# Allegro board mini_trx_layout.brd (continued)
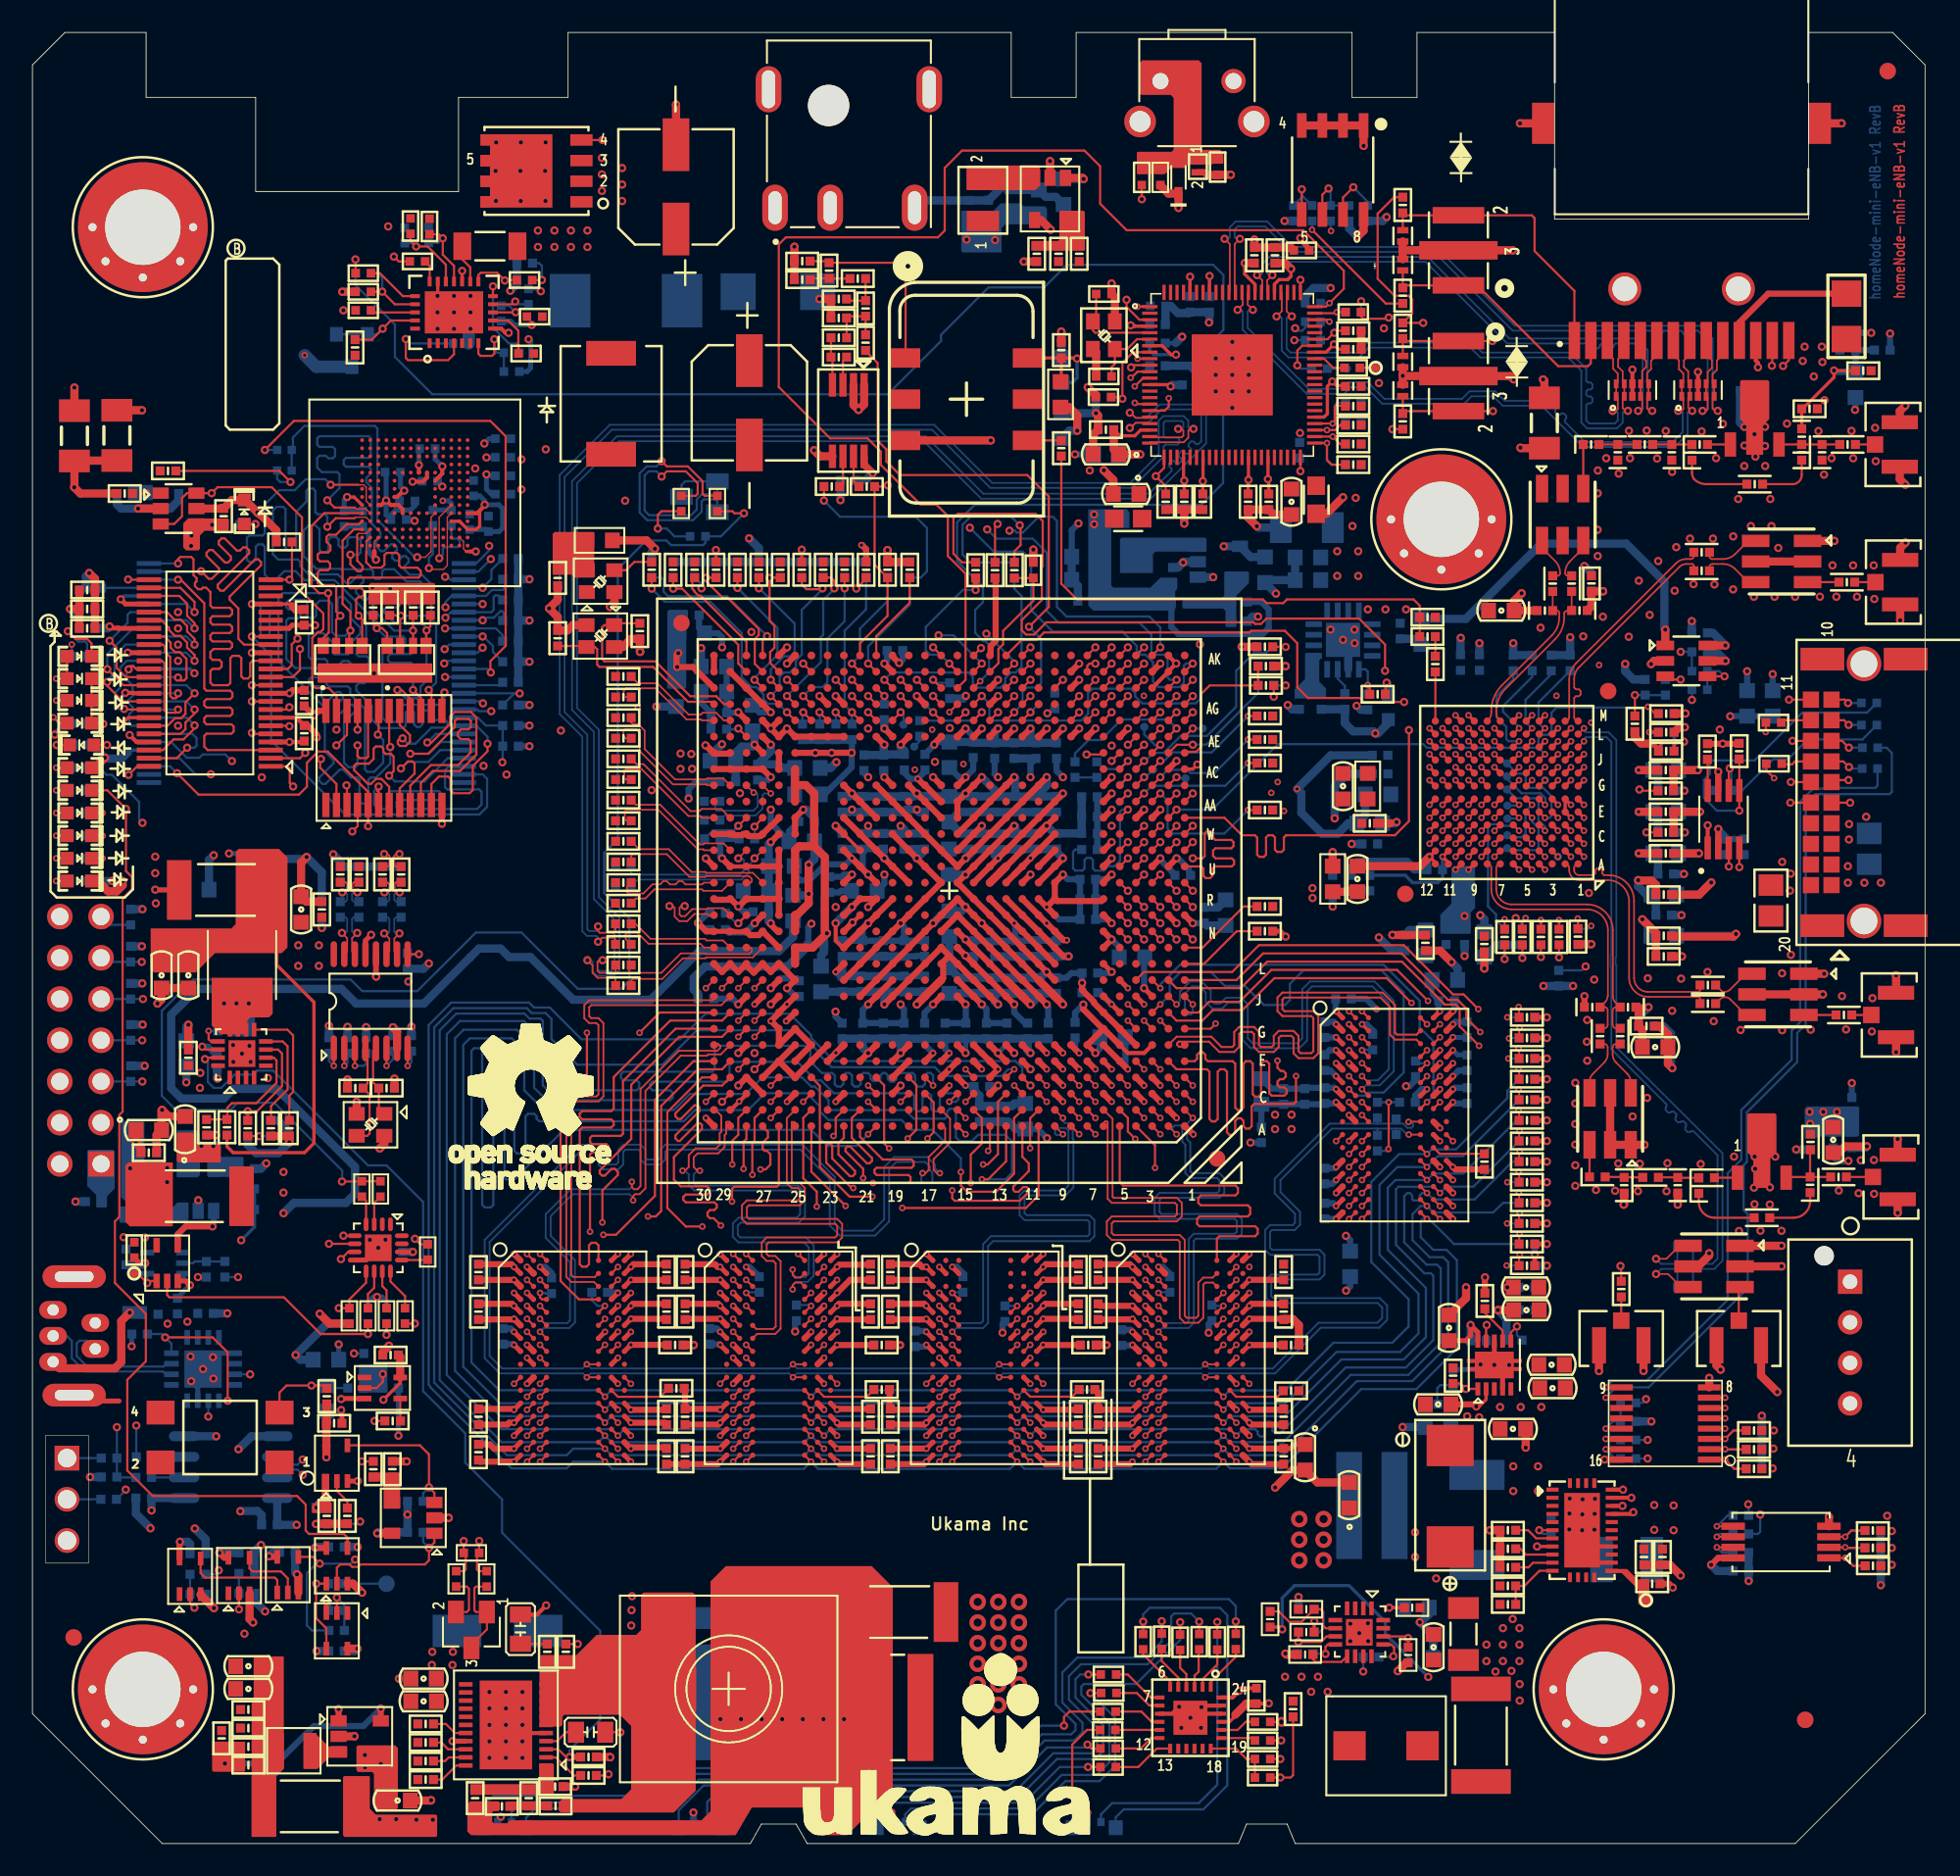
[diagram p0: board, top side]
## Routing (per net, layer and track width the routed paths; a pad name or vN(x,y) marks a point on that pad's centre or on a via; arc(x,y) is an arc through that point) (continued)
  TOP w0.137: U4.6 79.68,13.27 79.5,13.45 79.5,14.3 79.37,14.44 R62.2 78.19,13.67 77.42,13.67 76.79,14.3 R61.1
N27144685: length 1.9
  TOP w0.137: U4.8 79.8,12.27 79.66,12.13 v1(79.66,11.69)
  BOTTOM w0.137: v1(79.66,11.69) 79.65,11.7 R63.2
N27144921: length 7.9
  TOP w0.137: C94.2 15.83,46.09 16.06,46.32 16.06,49.8 15.71,50.15 U14.9
N27144923:
  vias: v1(11.8,51.77) v1(12.57,51.77) v1(13.33,51.77)
N27144925: length 7
  TOP w0.137: R137.1 v1(13.26,45.12) 13.83,45.12 15.38,46.67 15.38,48.68 15.13,48.93 U14.7
  BOTTOM w0.137: v1(13.26,45.12) R137.1
N27144937: length 1.4
  TOP w0.137: v1(13.96,43.59) 13.96,43.6 13.26,43.6 R137.2
  BOTTOM w0.137: C266.1 13.97,43.6 v1(13.96,43.59)
N27144939: length 19.7
  TOP w0.203: 14.95,55.43 15.06,55.32 15.06,54.13 17.34,51.84 17.34,43.16 16.76,42.57 12.36,42.57 11.98,42.95 R135.2
N27144954: length 1.7
  TOP w0.137: v2(10.85,50.07) 10.85,49.56 10.99,49.43 U14.13
  BOTTOM w0.137: C247.1 v2(10.85,50.07)
N27144964: length 7.8
  TOP w0.137: R136.2 R135.1 12.01,44.64 12.01,45.34 12.29,45.62 13.79,45.62 15.04,46.87 15.04,48.26 14.87,48.43 U14.6
N27144986: length 6.5
  TOP w0.137: R138.2 14.7,44.58 14.7,45.44 15.72,46.46 15.72,49.13 15.42,49.43 U14.8
N27169203: length 2.2
  TOP w0.137: U7.18 26.03,6.81 25.47,7.37 C37.1
N27169238: length 2.2
  TOP w0.137: R87.1 25.19,6.23 25.61,5.81 U7.20
N27169273: length 2.3
  TOP w0.137: U7.22 26.11,4.81 25.24,3.94 R73.1
N27169308: length 2.1
  TOP w0.137: U7.21 25.65,5.31 25.42,5.08 R78.1
N27171135: length 8.2
  TOP w0.137: R289.2 36.21,6.86 v1(36.22,6.85) ; C214.1 v1(33.6,12.29)
  L3-SIGNAL w0.127: v1(36.22,6.85) 36.21,6.86 36.21,9.68 v1(33.6,12.29)
N27171149: length 2.1
  TOP w0.137: R289.1 32.87,6.86 32.32,6.31 U7.4
N27171634:
  vias: v1(42.38,7.66) v1(43.65,7.66) v1(44.92,7.66) v1(46.19,7.66) v1(47.46,7.66) v1(48.73,7.66) v1(50,7.66)
N27174773: length 1.7
  TOP w0.137: C215.1 31.7,12.31 R291.2
N27178741: length 2.6
  TOP w0.137: U7.2 32.24,5.31 33.35,4.19 R288.2
N27215911: length 3.2
  TOP w0.137: U33.2 v1(12.72,14.43)
  BOTTOM w0.137: v1(12.72,14.43) U33.2 12.72,15.42 R435.2
N27215928: length 9.9
  TOP w0.137: U16.2 18.76,16.99 18.97,17.2 19.54,17.2 19.69,17.05 20.06,17.05 20.21,17.2 24.17,17.2 24.43,17.45 v1(24.43,18.22) 24.76,18.55 U10.1
  BOTTOM w0.137: v1(24.43,18.22) 24.07,18.57 R110.1
N27216005: length 3.2
  TOP w0.137: U18.2 v1(18.76,15.16)
  BOTTOM w0.137: v1(18.76,15.16) 19.21,14.7 C276.1 19.21,13.14 R380.2
N27216243: length 3.1
  TOP w0.137: U32.2 9.71,14.8 v1(9.98,14.53)
  BOTTOM w0.137: v1(9.98,14.53) 9.71,14.8 U32.2 9.71,16.59 R436.2
N27216779: length 2.6
  BOTTOM w0.137: U6.2 9.9,35.77 10,35.87 10.71,35.87 C211.1 11.85,35.87 R293.2
N27430859: length 2.3
  TOP w0.137: U5.1 7.2,34.67 v1(7.07,34.54) 6.48,35.13 TP3.1
  BOTTOM w0.137: U6.4 7.07,34.54 v1(7.07,34.54)
N28291570: length 6.4
  TOP w0.137: U13.4 20.64,48.87 20.64,46.82 C91.1 20.77,46.15 20.77,43.75 20.63,43.61 Y3.3
N28291594: length 4.4
  TOP w0.137: U13.5 20.98,48.82 20.98,46.9 C80.1 21.34,45.3 Y3.1
N28292228: length 3.5
  TOP w0.107: v1(21.68,58.61) 21.89,58.61 22,58.72 22,59.08 21.84,59.24 C246.1
  BOTTOM w0.107: R332.2 21.88,59.24 21.99,59.13 21.99,58.92 v1(21.68,58.61) 21.88,58.61 21.99,58.51 21.99,58.15 21.88,58.04 R331.2
N28292234: length 3.5
  TOP w0.107: v1(19.08,58.61) 19.29,58.61 19.4,58.72 19.4,59.13 19.29,59.24 C250.1
  BOTTOM w0.107: R334.2 19.29,59.24 19.4,59.13 19.4,58.93 v1(19.08,58.61) 19.28,58.61 19.39,58.51 19.39,58.15 19.28,58.04 R336.2
N28292240: length 3.5
  TOP w0.107: C253.1 19.81,59.24 19.7,59.13 19.7,58.72 19.81,58.61 v1(20.02,58.61)
  BOTTOM w0.107: 20.02,58.61 19.8,58.61 19.69,58.51 19.69,58.15 19.8,58.04 R338.2 ; 20.02,58.61 v1(20.02,58.61) ; 20.02,58.61 19.7,58.93 19.7,59.13 19.81,59.24 R342.2
N28292242: length 3.1
  TOP w0.107: U13.14 19.69,54.97 19.69,55.79 v1(20.01,56.11)
  BOTTOM w0.107: R338.1 19.8,57.08 19.69,56.97 19.69,56.22 19.8,56.11 v1(20.01,56.11)
N28292264: length 3.5
  TOP w0.107: v1(22.62,58.61) 22.41,58.61 22.3,58.72 22.3,59.13 22.41,59.24 C245.1
  BOTTOM w0.107: R328.2 22.4,58.04 22.29,58.15 22.29,58.51 22.4,58.61 22.62,58.61 ; 22.62,58.61 v1(22.62,58.61) ; 22.62,58.61 22.29,58.94 22.29,59.13 22.4,59.24 R327.2
N28292278: length 3.1
  TOP w0.107: U13.15 19.39,54.97 19.39,55.79 v1(19.07,56.11)
  BOTTOM w0.107: R336.1 19.28,57.08 19.39,56.97 19.39,56.22 19.28,56.11 v1(19.07,56.11)
N28292560: length 1.4
  TOP w0.137: U13.9 v1(23.81,54.8)
  BOTTOM w0.137: v1(23.81,54.8) 23.16,54.8 R117.1
N28293840: length 3.1
  TOP w0.107: v1(21.67,56.08) 21.99,55.77 21.99,54.97 U13.11
  BOTTOM w0.107: R331.1 21.88,57.08 21.99,56.97 21.99,56.19 21.88,56.08 v1(21.67,56.08)
N28293868: length 3.1
  TOP w0.107: U13.10 22.29,54.97 22.29,55.77 v1(22.61,56.08)
  BOTTOM w0.107: v1(22.61,56.08) 22.4,56.08 22.29,56.19 22.29,56.97 22.4,57.08 R328.1
N28294373: length 2
  TOP w0.137: U13.1 v2(18.56,47.92)
  BOTTOM w0.137: R132.2 18.27,48.22 v2(18.56,47.92)
N28294754: length 1.9
  TOP w0.137: U13.2 v2(19.21,47.92)
  BOTTOM w0.137: R130.2 19.41,48.12 v2(19.21,47.92)
N28294786: length 2.5
  TOP w0.137: U13.3 v2(19.86,47.92)
  BOTTOM w0.137: v2(19.86,47.92) 20.42,47.92 20.56,48.06 R128.2
N28294818: length 2.1
  TOP w0.137: U13.8 v2(23.11,47.92)
  BOTTOM w0.137: R116.2 23.35,48.16 v2(23.11,47.92)
N28294850: length 2.1
  TOP w0.137: U13.6 v2(21.81,47.92)
  BOTTOM w0.137: v2(21.81,47.92) 22.21,48.32 R122.2
N28301963: length 3.1
  TOP w0.137: v1(43.49,62.71) U1.Y28
  BOTTOM w0.137: v1(43.49,62.71) 43.22,62.44 41.93,62.44 R339.2
N28302006: length 1.5
  TOP w0.137: U1.Y27 v1(44.48,62.66)
  BOTTOM w0.127: R354.2 44.5,62.65 v1(44.48,62.66)
N28359985: length 8.6
  TOP w0.137: v1(70.49,68.71) U1.AE2
  BOTTOM w0.137: R414.1 64.23,67.17 65.06,68 65.83,68 67.1,69.27 68.29,69.27 68.3,69.26 69.67,69.26 69.68,69.27 69.93,69.27 v1(70.49,68.71)
N28499038: length 2.6
  TOP w0.137: v1(21.59,28.93) 21.59,28.45 21.2,28.07 U57.2
  BOTTOM w0.137: C235.1 v1(21.59,28.93)
N28500759: length 9.4
  TOP w0.137: U10.3 24.76,21.61 v1(24.43,21.95) 24.43,23.98 23.87,24.54 U17.4
  BOTTOM w0.137: R113.1 24.07,21.59 v1(24.43,21.95)
N37529531: length 3.4
  TOP w0.137: U25.4 v1(104.25,71.93)
  BOTTOM w0.137: R4.1 R6.1 103.93,72.24 104.25,71.92 v1(104.25,71.93)
N37586365: length 2.5
  TOP w0.137: R238.2 49.09,96.43 R232.1 47.98,96.45 C169.1
N37586373: length 11.5
  TOP w0.137: C152.1 48.98,97.51 R232.2 53.26,97.41 53.79,96.88 U38.1
N37586451: length 6.8
  TOP w0.203: v1(64.36,91.5) 64.32,91.54 C154.1 ; C154.1 63.39,90.13 L13.1 ; C154.1 U38.6
  BOTTOM w0.203: v1(64.36,91.5) 64.36,90.32 64.05,90.02 C445.1
N37586583: length 2.9
  TOP w0.137: R242.1 R241.2 49.28,91.51 U44.4
N37586587: length 3.6
  TOP w0.137: R242.2 50.16,92.79 C182.1 50.26,94.11 R239.1 R240.2
N37586775: length 1.8
  TOP w0.137: U44.3 49.94,91.37 R241.1
N37650909: length 1.6
  TOP w0.137: LED3.1 v2(1.46,66.3)
  BOTTOM w0.137: R97.1 v2(1.46,66.3)
N37651458: length 1.9
  TOP w0.137: R146.1 19.4,21.08 18.76,21.73 U17.2
N37651465:
  vias: v1(17.49,20.7)
N37686439: length 1.7
  BOTTOM w0.137: C436.2 80.85,71.34 80.42,71.78 U65.7
N38213058: length 2.6
  BOTTOM w0.137: TP24.1 21.8,16.01 R378.1
N38345660: length 9.2
  TOP w0.102: 41.45,59.87 41.51,59.81 44.38,59.81 U1.T27
  TOP w0.107: 41.45,59.87 40.61,59.87 39.2,61.27 37.37,61.27 C71.2
N38345697: length 9
  TOP w0.102: U1.T28 44.25,59.21 44.32,59.28 44.32,59.45 44.15,59.61 41.5,59.61 41.45,59.57
  TOP w0.107: 41.45,59.57 40.48,59.57 39.08,60.97 36.99,60.97 36.89,60.86 C70.2
N38345795: length 6.7
  TOP w0.107: C68.1 37.18,58.24 37.76,58.24 38.32,58.8 41.24,58.8 41.33,58.71 42.48,58.71 U1.T29
N38345832: length 6.7
  TOP w0.107: C69.1 36.63,58.96 36.63,58.65 36.74,58.54 37.63,58.54 38.19,59.1 38.67,59.1 38.86,59.3 39.08,59.3 39.27,59.1 39.62,59.1 39.82,59.3 40.04,59.3 40.23,59.1 41.26,59.1 41.36,59.21 U1.T30
N38717127: length 1.4
  TOP w0.137: U57.4 22.66,26.06 R108.2
N38737759: length 0
  TOP w0.137: 6.98,83.19 v1(7.01,83.21)
N38791044: length 7.7
  TOP w0.107: R119.2 37.21,66.51 37.65,66.51 40.54,63.62 41.1,63.62 41.23,63.75 42.44,63.75 42.98,63.21 U1.Y29
N38791056: length 7.7
  TOP w0.107: U1.Y30 41.25,63.21 41.14,63.32 40.41,63.32 37.52,66.21 36.57,66.21 36.46,66.1 36.46,65.67 36.57,65.57 R118.2
N38808629: length 4.7
  TOP w0.137: U1.AF14 v1(58.49,69.71)
  BOTTOM w0.137: v1(58.49,69.71) 57.97,69.19 56.71,69.19 56.7,69.2 56.32,69.2 56.32,69.19 R395.1
N40392181: length 15.6
  TOP w0.107: C147.2 102.74,52.59 arc(102.7,52.51) 102.63,52.48 99.54,52.48 arc(98.93,52.73) 98.67,53.35 98.67,58.09 arc(98.21,59.21) 97.09,59.67 96.82,59.67 96.71,59.78 96.71,59.98 96.61,60.09 96.39,60.09 96.29,59.98 96.29,59.78 96.18,59.67 95.3,59.67 arc(95.07,59.76) 94.98,59.99 94.98,60.12 arc(95.05,60.29) U3.A1
N40392244: length 15.4
  TOP w0.107: C150.2 102.74,52.07 arc(102.7,52.14) 102.63,52.17 99.54,52.17 arc(98.71,52.52) 98.37,53.35 98.37,58.04 arc(97.98,58.98) 97.04,59.37 95.3,59.37 arc(94.86,59.55) 94.68,59.99 94.68,60.12 arc(94.6,60.29) U3.A2
N40936377: length 2.1
  TOP w0.137: U19.6 v2(103.77,18.9)
  BOTTOM w0.137: R562.2 103.95,19.08 v2(103.77,18.9)
N40936405: length 3.8
  TOP w0.137: R140.2 112.07,19.29 v2(111.68,18.9) U19.3
  BOTTOM w0.137: R140.2 112.07,19.29 v2(111.68,18.9)
N40936407: length 3.5
  TOP w0.137: R145.2 111.71,18.22 v2(111.68,18.25) U19.2
  BOTTOM w0.137: R145.2 111.71,18.22 v2(111.68,18.25)
N40936492: length 3.9
  TOP w0.137: U19.1 v2(111.68,17.6) 112.17,17.11 R148.2
  BOTTOM w0.137: R384.2 112.17,17.11 v2(111.68,17.6)
N41074281: length 1.3
  TOP w0.137: J10.1 C174.1
N41087231: length 1.2
  TOP w0.137: C465.1 J19.1
N41087321: length 3.7
  TOP w0.137: R478.2 108.44,83.77 arc(108.84,83.93) 109,84.33 C654.2
N41087323: length 3.7
  TOP w0.137: C465.2 C457.1 C654.1 U70.3
N41087325: length 2.4
  TOP w0.137: L42.2 C451.1 C453.2
N41087331: length 2.3
  TOP w0.137: C442.1 C444.1 L42.1
N41087368: length 1.4
  TOP w0.137: C453.1 U70.1
N41087432: length 9.6
  TOP w0.203: L45.2 C458.2 109.05,88.41 110.99,90.35 v1(110.99,90.77) 111,90.76 C459.2
  BOTTOM w0.381: L52.1 113.48,92.02 L46.1 112.31,92.02 C461.1 111.08,90.68 v1(110.99,90.77)
N41087526: length 4.5
  TOP w0.137: C466.2 109.52,41.08 C656.1 109.52,41.07 ; L47.1 109.52,42.73 109.52,41.07 ; 109.52,41.07 108.09,41.07 U71.3
N41087528: length 1.6
  TOP w0.137: J20.1 C466.1
N41087530: length 3.6
  TOP w0.137: C656.2 109.52,39.58 arc(109.22,38.86) 108.5,38.56 R479.2
N41087548: length 2.3
  TOP w0.137: C443.1 98.04,41.08 C447.1 98.07,41.05 L43.1
N41087557: length 2.5
  TOP w0.137: C655.2 101.39,41.02 C452.1 101.36,41.05 L43.2
N41087567: length 1.4
  TOP w0.137: U71.1 103.63,41.03 C454.1
N41087635:
  vias: v1(109.49,45.09) v1(109.52,44.35) v1(110.33,45.09) v1(111.17,45.09)
N41094150: length 1.2
  TOP w0.137: J9.1 C173.1
N41359438: length 1.7
  TOP w0.137: v1(13.73,81.31) 13.06,81.31 LED6.1
  BOTTOM w0.137: R106.2 13.71,81.28 v1(13.73,81.31)
N42046315: length 1.7
  TOP w0.137: v1(63.49,71.71) U1.AH9
  BOTTOM w0.137: R417.2 U1.AH9 v1(63.49,71.71)
N42252550: length 20.1
  TOP w0.083: U29.K5 24.56,81.73 24.56,79.61 24.2,79.26 v1(23.7,79.26)
  BOTTOM w0.137: R2N2.2 R2N1.2 16.05,85.95 16.05,86.64 16.76,87.35 21.1,87.35 21.25,87.21 21.25,81.57 23.56,79.26 v1(23.7,79.26)
N42252590: length 5
  TOP w0.083: U29.C2 21.06,80.23 21.06,80.08 21.06,79.63
  TOP w0.305: 21.06,79.63 21.06,79.21 v1(21.16,79.11)
  BOTTOM w0.305: C368.1 C370.1 20.7,80.8 20.7,79.57 v1(21.16,79.11)
N42378579: length 72.1
  TOP w0.137: v1(38.53,81.03) 38.53,81.87 38.75,82.1 R451.1 ; U28.6 v1(18.27,36.96)
  L3-SIGNAL w0.127: v1(18.27,36.96) 18.27,38.41 19.92,40.06 19.92,44.65 15.45,49.12 15.45,61.49 16.69,62.73 19.19,62.73 20.85,64.38 20.85,66.19 21.71,67.06 22.53,67.06 24,68.53 29.58,68.53 31.43,70.38 37.04,70.38 39.09,72.43 39.09,75.24 37.67,76.66 37.67,80.38 38.32,81.03 v1(38.53,81.03)
  BOTTOM w0.137: C132.1 39.56,80.55 39.07,81.03 v1(38.53,81.03)
N42378600: length 25.4
  TOP w0.137: R422.1 27.48,16.79 27.39,16.88 27.39,17.78 C131.1 27.52,18.64 v1(27.53,18.65) ; U28.5 v1(19.16,37.46)
  L3-SIGNAL w0.127: v1(19.16,37.46) 19.16,36.56 20.72,35 20.72,32.85 21.14,32.42 21.14,27.2 27.53,20.81 v1(27.53,18.65)
N42378604: length 2.4
  TOP w0.137: R176.2 20.67,33.86 21.05,34.25 U28.10
N42378613: length 123.4
  TOP w0.137: U28.7 19.45,36.46 v1(19,36.01) ; R467.1 43.13,82.1 43.25,81.97 v1(43.83,81.97) ; v1(26.57,18.64) C131.2 26.69,17.79 26.69,16.89 26.58,16.79 R423.1 ; v1(19.07,40.8) 20.28,40.8 R177.1 R172.1
  L3-SIGNAL w0.127: v1(26.57,18.64) 26.29,18.64 21.77,23.16 21.77,25.97 20.68,27.07 20.68,30.76 20.1,31.33 20.1,34.92 v1(19,36.01) 18.84,36.18 17.62,36.18 17.44,36.36 17.44,39.16 v1(19.07,40.8)
  BOTTOM w0.137: v1(43.83,81.97) 42.41,80.55 C132.2 41.46,80.15 41.33,80.01 39.34,80.01 39.06,80.29 37.81,80.29 36.06,78.54 36.06,61.88 35.22,61.04 35.22,58.58 36.77,57.03 36.77,53.17 36.28,52.67 33.6,52.67 30.13,56.14 27.32,56.14 23.71,52.53 20.32,52.53 19.6,53.24 9.9,53.24 7.97,51.31 7.97,46.08 8.83,45.22 12.21,45.22 12.64,45.65 14.9,45.65 19.08,41.47 19.08,40.81 v1(19.07,40.8)
N42378655: length 2.6
  TOP w0.137: R171.1 22.96,33.73 22.05,34.64 U28.12
N42378657: length 1.6
  TOP w0.137: R169.1 24.33,35.96 U28.13
N42378741: length 4
  TOP w0.137: v1(18.87,32.99) R181.1 19.53,33.53 20.55,34.56 U28.9
  BOTTOM w0.137: v1(18.87,32.99) R181.1
N42378749: length 1.9
  TOP w0.137: R172.2 21.05,39.48 U28.3
N42378768: length 1.8
  TOP w0.137: U28.4 20.55,39.6 R177.2
N42378865: length 2.4
  TOP w0.137: U28.11 21.55,34.35 21.81,34.09 R173.1
N42383145: length 1.5
  TOP w0.137: LED2.1 v2(1.46,59.31)
  BOTTOM w0.137: v2(1.46,59.31) R95.1
N42450862: length 2
  BOTTOM w0.137: U31.2 R180.2
N42450876: length 2
  BOTTOM w0.137: U31.3 R184.2
N42451043: length 8.6
  TOP w0.508: J7.1 1.67,29.29 5.08,29.29 5.47,29.68 5.47,32.19 v1(5.99,32.72)
  BOTTOM w0.137: R409.2 6.02,32.62 5.99,32.64 v1(5.99,32.72)
N42451093: length 11.4
  TOP w0.137: v1(8.18,31.19) 11.1,31.19 12.03,30.26 v1(12.03,27.29)
  BOTTOM w0.137: U26.1 v1(12.03,27.29) ; v1(8.18,31.19) 7.97,31.4 C116.2 ; v1(8.18,31.19) 8.56,30.81 U26.8 ; v1(8.18,31.19) U26.9
N42452847: length 11.8
  TOP w0.381: U69.5 v1(21.46,8.31)
  BOTTOM w0.381: v1(11.86,4.93) 15.03,4.93 17.34,7.24 20.39,7.24 v1(21.46,8.31)
N42452897: length 6.6
  TOP w0.508: C96.1 v1(6.38,43.19) 6.69,42.89 C97.1
  BOTTOM w0.203: C284.1 R388.1 13.68,37.99 v1(12.86,37.18) ; C96.1 v1(6.38,43.19) 6.69,42.89 C97.1
  vias: v1(6.02,41.61) v1(8.3,41.63) v1(8.3,40.76)
N42624203:
  vias: v1(91.23,23.24) v1(91.23,21.72) v1(92.75,23.24) v1(92.75,21.72)
N42624207: length 1
  TOP w0.203: U8.8 v1(92.69,18.31)
  vias: v1(85.19,19.18) v1(85.19,17.66) v1(86.48,16.34)
N42624232: length 3.8
  TOP w0.137: U8.11 92.85,16.81 91.92,15.88 R75.1 91.38,14.74 R74.2
N42624335: length 1.6
  TOP w0.137: U8.6 v1(92.83,19.31)
  BOTTOM w0.137: v1(92.83,19.31) 93.06,19.08 C222.1
N42624343: length 2.5
  TOP w0.137: C220.2 92.14,19.31 92.64,18.81 U8.7
N42624475: length 2.4
  TOP w0.137: C209.2 92.17,17.02 92.45,17.3 93.64,17.3 U8.10
N42624491: length 2.4
  TOP w0.137: U8.9 92.02,17.81 91.66,18.16 R294.2
N42694907: length 7.3
  TOP w0.107: R121.2 37.31,71.49 38.5,71.49 40.42,69.57 41.18,69.57 41.29,69.68 42.12,69.68 42.59,69.21 U1.AF29
N42694909: length 7.2
  TOP w0.107: R120.2 36.53,70.65 36.42,70.75 36.42,71.02 36.59,71.19 37.19,71.19 37.19,71.19 38.38,71.19 40.3,69.27 41.19,69.27 41.25,69.21 U1.AF30
N42717331: length 0.8
  BOTTOM w0.137: R395.2 54.66,67.93 TP51.1
N43208299: length 2
  TOP w0.137: U44.7 50.59,83.96 R619.2
N43208302: length 2
  TOP w0.137: R620.2 49.94,83.83 U44.6
N43208378: length 2.3
  TOP w0.137: U19.5 v2(103.77,19.55)
  BOTTOM w0.137: v2(103.77,19.55) 104.44,20.22 R561.2
N43275465: length 4.1
  TOP w0.137: U242.18 74.16,5.85 74.8,5.21 R583.2 R584.2
N43315191: length 2.1
  TOP w0.137: U242.19 75.17,6.5 R579.2
N43315200: length 2.3
  TOP w0.137: R582.2 74.75,7.5 74.25,7 U242.20
N43486484: length 8.1
  TOP w0.137: U246.4 25.97,91.77 25.6,91.41 23.14,91.41 23,91.54 v1(23,92.71)
  BOTTOM w0.137: v1(23,92.71) 23.27,92.44 C611.1
N43486486: length 2.8
  TOP w0.137: U246.22 20.98,94.35 C612.1
N43486488: length 3.2
  TOP w0.137: U246.9 29.31,93.85 29.93,93.22 C613.1
N43486622: length 5
  TOP w0.137: U246.17 25.47,97.29 24.35,98.41 v1(23.64,98.41) 23.29,98.76 R554.2
  BOTTOM w0.137: R550.1 23.44,98.61 v1(23.64,98.41)
N43486628: length 4.9
  TOP w0.137: U246.16 25.97,97.22 25.28,97.91 v1(25.28,98.92) 25.03,99.17 R553.2
  BOTTOM w0.137: v1(25.28,98.92) 25,98.64 R549.1
N43486642: length 2.3
  TOP w0.137: U246.11 29.57,94.85 v1(29.74,95.02)
  BOTTOM w0.137: v1(29.74,95.02) 29.91,94.85 R552.1
N43486656: length 5.1
  TOP w0.137: U246.7 27.47,91.81 27.61,91.67 28.32,91.67 28.45,91.81 v1(28.45,92.7)
  BOTTOM w0.137: v1(28.45,92.7) 28.45,92.04 28.64,91.86 R548.1 R551.2
N43486718: length 2.4
  TOP w0.137: U246.14 26.97,97.13 26.48,97.62 R547.1
  vias: v1(28.54,103.07) v1(28.57,104.82) v1(28.56,101.22) v1(30.09,104.82) v1(30.06,103.07) v1(30.08,101.22) v1(31.61,104.82) v1(31.58,103.07) v1(31.6,101.22)
N43487761: length 1.4
  TOP w0.137: U246.19 24.47,97.22 R559.2
N43487763: length 3.3
  TOP w0.137: R558.2 21.41,96.76 22.82,95.35 U246.20
N43487767: length 4.7
  TOP w0.137: U246.21 22.33,94.85 v1(21.55,95.63) 21.54,95.62 R556.2
  BOTTOM w0.137: R557.2 21.25,96.77 21.55,96.47 v1(21.55,95.63)
N43539411: length 16.6
  TOP w0.137: Q1.4 v1(35.12,104.97) ; R555.2 29.13,96.35 v1(29.1,96.32) 28.62,96.79 27.62,96.79 27.47,96.65 U246.13
  L6-SIGNAL w0.127: v1(35.12,104.97) 33.86,103.71 33.86,102.22 31.76,100.12 29.95,100.12 29.02,99.18 29.02,96.4 v1(29.1,96.32)
N43728448: length 39.6
  TOP w0.137: v1(60.83,81.23) 60.88,81.18 60.88,80.01 60.5,79.63 R604.1 ; U243.67 v1(78.12,96.35)
  L6-SIGNAL w0.127: v1(78.12,96.35) 77.55,96.35 77.11,95.91 71.88,95.91 70.2,94.24 67.72,94.24 61.72,88.24 61.72,82.12 v1(60.83,81.23)
  BOTTOM w0.137: R604.1 57.78,78.94 57.3,79.42 57.3,81.27 57.8,81.76 60.29,81.76 v1(60.83,81.23)
N43748365: length 3.4
  TOP w0.137: U250.7 80.74,101.43 v1(81.38,102.06)
  BOTTOM w0.137: v1(81.38,102.06) 82.26,101.17 R613.1
N43748745: length 3.7
  TOP w0.137: U250.5 v1(78.2,101.93)
  BOTTOM w0.137: 78.2,101.57 R611.1 ; 78.2,101.57 78.2,101.44 R607.2 ; 78.2,101.57 v1(78.2,101.93)
N43748748: length 4
  TOP w0.137: v1(79.85,101.98) 79.47,101.6 U250.6
  BOTTOM w0.137: v1(79.85,101.98) 79.98,101.86 R612.1 R608.2
N43750978: length 2.5
  TOP w0.137: U243.65 80.29,94.3 v2(80.35,94.36) R599.2
  BOTTOM w0.137: R599.2 v2(80.35,94.36)
N43750983: length 2.6
  TOP w0.137: v2(79.91,93.78) 79.79,93.9 U243.64
  BOTTOM w0.137: v2(79.91,93.78) R598.2 R592.2
N43798289: length 3
  TOP w0.137: R580.2 74.14,11.51 72.6,9.97 72.6,9.66 U242.1
N43798294: length 2.7
  TOP w0.137: R581.2 72.99,11.03 72.09,10.13 U242.2
N43798299: length 2.4
  TOP w0.137: U242.3 71.6,9.65 71.6,10.34 71.85,10.6 71.85,11.93 R577.2
N43798304: length 2.4
  TOP w0.137: U242.4 71.09,10.44 70.71,10.82 R578.2
N43798309: length 2.8
  TOP w0.137: U242.5 70.59,10.23 69.56,11.26 69.56,11.97 R572.2
N43798314: length 3
  TOP w0.137: U242.6 70.09,9.99 68.42,11.66 68.42,11.96 R573.2
N43798319: length 3.3
  TOP w0.137: R574.2 67.48,10.42 68.9,8.99 69.44,8.99 U242.7
N43798324: length 3
  TOP w0.137: R575.2 68.04,9.27 68.8,8.51 69.43,8.51 U242.8
N43798329: length 3
  TOP w0.137: R568.2 68.32,8.13 68.95,7.5 U242.10
N43798334: length 2.7
  TOP w0.137: U242.11 69.44,7 R569.2
N43798339: length 3
  TOP w0.137: R570.2 68.28,5.86 68.92,6.5 U242.12
N43798344: length 3.8
  TOP w0.137: U242.13 69.26,5.85 68.13,4.72 R571.2
N43976624: length 2.1
  TOP w0.137: v1(31.38,96.35) R555.1
  BOTTOM w0.137: C610.1 31.22,97.38 31.38,97.22 v1(31.38,96.35)
N43976789: length 7.2
  TOP w0.137: C606.2 20.91,92.67 v1(21.58,93.35) 22.08,93.85 U246.23
  BOTTOM w0.137: Q34.1 Q34.2 21.23,93 v1(21.58,93.35)
N44032590: length 8.7
  TOP w0.137: U1.AD2 70.01,67.21 70.51,67.71 v1(71.49,67.71)
  BOTTOM w0.137: R564.2 75.51,71.37 R565.1 75.51,70.9 72.33,67.72 71.5,67.72 v1(71.49,67.71)
N44032640: length 9.3
  TOP w0.137: R567.2 75.51,72.54 R566.1 72.53,71.36 71.99,70.82 71.99,67.57 71.69,67.28 71.05,67.28 U1.AD1
N44115168: length 4.5
  TOP w0.137: LED20.2 LED22.2 LED21.2 4.31,69.04 v1(4.36,68.99)
  BOTTOM w0.137: R587.1 3.39,68.99 v1(4.36,68.99)
N44115602: length 1.9
  TOP w0.137: J23.12 107.89,69.22 R627.1
N44115852: length 2
  TOP w0.137: J23.9 111.61,69.22 v1(111.89,68.93)
  BOTTOM w0.137: R105.2 112.67,68.93 v1(111.89,68.93)
N44115875: length 1.9
  TOP w0.137: v1(111.86,70.28) 111.65,70.49 J23.10
  BOTTOM w0.137: R628.2 112.67,70.28 v1(111.86,70.28)
N44141935: length 1.9
  TOP w0.137: U20.14 v2(96.92,24.93)
  BOTTOM w0.137: v2(96.92,24.93) 96.99,24.87 R358.2
N44141941: length 2.1
  TOP w0.137: U20.15 v2(96.92,24.3)
  BOTTOM w0.137: v2(96.92,24.3) 97.5,23.73 R357.2
N44142723: length 3.2
  TOP w0.137: U20.13 v2(96.92,25.57)
  BOTTOM w0.137: v2(96.92,25.57) 97.37,26.01 R210.2 97.84,26.02 R359.2
N44161184: length 17.9
  TOP w0.137: J12.1 95,95.68 92.54,98.13 92.54,100.16 92.37,100.33 C4.2 84.57,100.33 R614.2 D2.1
N44161189: length 16.2
  TOP w0.137: 84.5,95.94 84.42,96.02 D1.1 ; 84.5,95.94 R615.2 ; 84.5,95.94 84.57,96.01 C4.1 89.02,96.01 94,91.04 95.83,91.04 96.01,91.21 96.01,92.61 J12.2
N44161549: length 26.1
  TOP w0.137: D4.1 R616.1 84.58,92.59 C3.1 v1(89.95,92.59) ; v1(107.16,91.06) 107.19,91.09 J12.13
  L6-SIGNAL w0.127: v1(107.16,91.06) 106.57,91.66 94.39,91.66 93.38,92.68 90.04,92.68 v1(89.95,92.59)
N44161621: length 31
  TOP w0.137: D3.1 R617.2 84.57,88.27 C3.2 v1(89.98,88.27) ; v1(107.85,91.05) 108.2,91.4 J12.14
  L6-SIGNAL w0.127: v1(89.98,88.27) 89.87,88.38 89.87,91.34 90.85,92.33 93.25,92.33 94.25,91.33 105.01,91.33 105.92,90.42 107.23,90.42 v1(107.85,91.05)
N44162954: length 8.4
  TOP w0.381: J12.11 105.16,93.73 106.93,95.5 RV1.2
N44355657: length 2.1
  TOP w0.137: J23.7 111.57,66.68 v1(111.91,66.33)
  BOTTOM w0.137: v1(111.91,66.33) 112.01,66.24 R100.2
N44355683: length 2.1
  TOP w0.137: J23.8 111.49,67.95 v1(111.91,67.53)
  BOTTOM w0.137: R626.2 112.73,67.53 v1(111.91,67.53)
N44355704: length 13.4
  TOP w0.137: v1(104.57,66.25) 104.51,66.19 U254.6
  BOTTOM w0.137: v1(104.57,66.25) 104.67,66.14 R624.2 105.34,64.9 107.25,66.81 108.15,66.81 109.37,68.03 112.74,68.03 R105.1
N44355710: length 19.8
  TOP w0.137: R625.2 105.16,66.82 U254.5 v1(105.16,63.65)
  BOTTOM w0.137: v1(105.16,63.65) 103.78,63.65 102.98,64.45 102.98,65.55 103.35,65.92 103.35,66.6 103.48,66.74 106.1,66.74 109.04,69.69 113.03,69.69 R628.1
N44355739: length 1.9
  TOP w0.137: U254.8 103.21,66.79 R621.1
N44356653: length 1.9
  TOP w0.137: J23.14 108.59,66.68 108.42,66.51 107.8,66.51 R104.1
N44374793: length 4.5
  TOP w0.137: C653.1 102.24,84.46 arc(102.28,84.26) 102.37,84.08 arc(102.71,83.85) 103.12,83.77 R478.1
N44374876: length 4.5
  TOP w0.137: C655.1 102.66,39.54 arc(102.94,38.85) 103.63,38.56 R479.1
N44383716: length 2.8
  TOP w0.107: C150.1 103.97,52.02 arc(104.28,52.16) 104.6,52.02 105.3,51.32 arc(105.59,51.13) U39.4
N44383748: length 2.8
  TOP w0.107: C147.1 104.08,52.52 arc(104.12,52.49) 104.17,52.48 104.23,52.48 arc(104.43,52.52) 104.6,52.63 105.35,53.38 arc(105.59,53.54) 105.87,53.6 U39.6
N44414319: length 1
  TOP w0.137: R726.2 TP52.1
N44414323: length 1.2
  BOTTOM w0.137: R727.2 TP53.1
N44414349: length 3.1
  TOP w0.137: v1(77.93,91.08) 77.93,92 78.23,92.3 U243.60
  BOTTOM w0.137: v1(77.93,91.08) 78.13,90.88 R727.1
N44414351: length 2.1
  TOP w0.137: U243.58 79.57,91.5 80.14,90.93 R726.1
N373888061: length 1.9
  TOP w0.137: LED5.2 v1(1.49,67.69)
  BOTTOM w0.137: R103.2 v1(1.49,67.69)
N375864650: length 2.1
  TOP w0.137: U38.4 R211.1
N376509451: length 1.5
  TOP w0.137: LED4.1 v2(1.46,64.9)
  BOTTOM w0.137: v2(1.46,64.9) R101.1
N377864440: length 1.6
  TOP w0.137: v1(83.43,71.54) 83.35,71.46 R114.1
  BOTTOM w0.381: v1(83.43,71.54) 83.53,71.44 LED10.1
N4337991173: length 1.6
  TOP w0.137: U243.1 v2(68.08,94.7)
  BOTTOM w0.137: R609.2 68.13,94.75 v2(68.08,94.7)
N4337991175: length 22.4
  TOP w0.137: v1(59.46,81.32) 59.3,81.16 R610.1 ; v1(67.41,95.13) 67.41,94.69 68.2,93.9 U243.3
  L6-SIGNAL w0.127: v1(59.46,81.32) 59.46,81.36 61.13,83.04 61.13,90.07 66.18,95.13 v1(67.41,95.13)
N4348646421: length 2.5
  TOP w0.137: v1(29.77,94.36) 29.76,94.35 U246.10
  BOTTOM w0.137: R560.2 29.37,94.76 v1(29.77,94.36)

## Copper pours and planes (outline as drawn; the poured copper is in the pictures)
1V3_TX1 on BOTTOM: 87.57,72.6 89.27,72.6 89.5,72.6 89.74,72.84 89.74,75.69 91.55,77.5 96.96,77.5 97.28,77.19 97.28,76.88 96.99,76.58 92.4,76.58 90.6,74.78 90.57,74.78 90.47,74.68 90.48,74.67 90.48,72.36 89.04,70.92 89.04,69.73 88.63,69.31 87.58,69.31 87.37,69.52 87.37,72.39
1V3_TX2 on BOTTOM (solid shape): 88.88,60.15 88.88,57.64 88.61,57.38 88.61,56.11 88.56,56.06 86.79,56.06 86.73,56.11 86.73,57.23 87.42,57.91 87.42,60.11 87.54,60.24 88.79,60.24
1V3_TX2 on L4-PWR1: 87.09,60.25 89.32,60.25 89.48,60.09 89.48,57.05 90.22,56.32 99.61,56.32 100.65,55.27 100.65,51.41 100.55,51.31 95.62,51.31 95.17,51.77 95.17,54.69 94.71,55.15 87.55,55.15 86.96,55.73 86.96,60.12
1V5 on TOP: 12.08,41.93 15.61,41.93 15.61,41.92 15.9,41.63 15.9,38.25 15.55,37.89 12.19,37.89 12.05,38.02 12.05,41.9
